# Altium PCB Slave.PcbDoc (part 5 of 10)
Units mm, origin at the board's own origin, x right, y up, seen from the top; angles counter-clockwise.
Board outline 380 x 63 mm, 4 copper layers (Top Copper, Signal Layer 1, Signal Layer 2, Bottom Copper), stack 1.586 mm thick; 259 components, 195 nets, 816 pads, 23336 vias.
Unrouted connection lines stored in the file: 47.
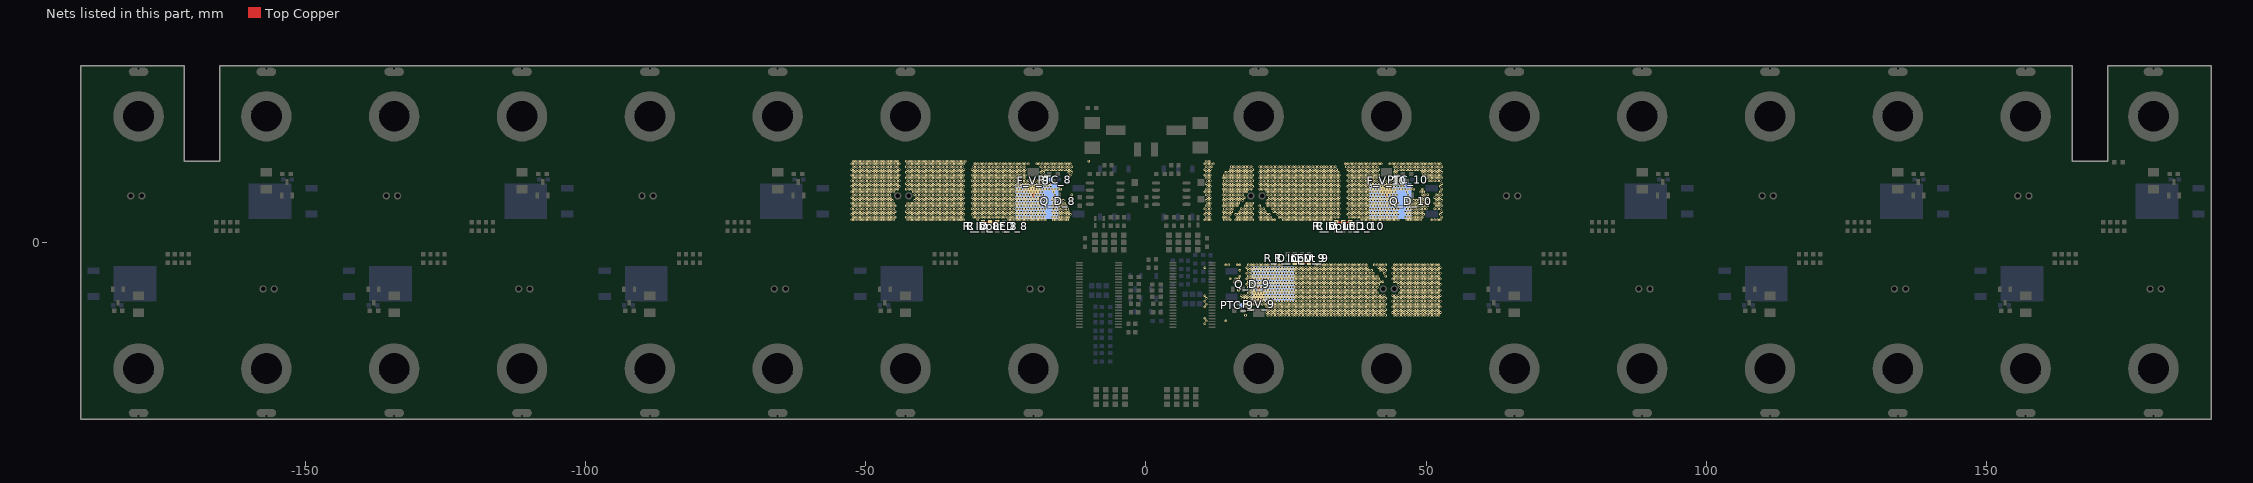
[diagram p7: the nets of this part, all layers, seen from the top]

## Via types
v1: diameter 0.45, hole 0.2, Top Copper to Bottom Copper, tented both sides, 23076 vias
v2: diameter 0.45, hole 0.2, Top Copper to Bottom Copper, 250 vias
v3: diameter 1.2, hole 0.8, Top Copper to Bottom Copper, 10 vias

## Nets (pads, with @x,y where several pads share a name; then routed paths per layer and width w, separated by ;. In a path a pad name is that pad's centre, name@x,y a point inside that pad or via, vN(x,y) a via of type N, cw(c..) or ccw(c..) an arc to the next point about the centre after c; other vN are vias at no path point) (continued)
F_8: C_V_8.2 F_V_8.2 PTC_8.2 Q_D_8.2 R_D_LED_8.2 R_Input_8.1 | length 3.9
  Top Copper w0.254: C_V_8.2@-29.05,3.6 R_Input_8.1@-27.8,3.6 R_D_LED_8.2@-26.55,3.6
  Top Copper w0.305: v1@-20.075,8.1 F_V_8.2@-20.075,9.48
  other v1: -52.5,4 -52,4 -51.5,4 -51,4 -50.5,4 -50,4 -49.5,4 -49,4 -48.5,4 -48,4 -47.5,4 -47,4 -46.5,4 -46,4 -45.5,4 -45,4 -42.5,4 -42,4 -41.5,4 -41,4 -40.5,4 -40,4 -39.501,4 -39.001,4 -38.501,4 -38.001,4 -37.501,4 -37.001,4 -36.501,4 -36.001,4 -35.501,4 -35.001,4 -34.501,4 -34.001,4 -33.501,4 -33.001,4 -32.501,4 -30.001,4 -24.501,4 -24.001,4 -23.501,4 -23.001,4 -22.501,4 -22.001,4 -21.501,4 -21.001,4 -20.501,4 -20.001,4 -19.501,4 -19.001,4 -18.501,4 -18.001,4 -16.501,4 -16.001,4 -15.501,4 -15.001,4 -14.501,4 -14.001,4 -52.25,4.5 -51.75,4.5 -51.25,4.5 -50.75,4.5 -50.25,4.5 -49.75,4.5 -49.25,4.5 -48.75,4.5 -48.25,4.5 -47.75,4.5 -47.25,4.5 -46.75,4.5 -46.25,4.5 -45.75,4.5 -45.25,4.5 -44.75,4.5 -42.75,4.5 -42.25,4.5 -41.75,4.5 -41.25,4.5 -40.75,4.5 -40.25,4.5 -39.75,4.5 -39.251,4.5 -38.751,4.5 -38.251,4.5 -37.751,4.5 -37.251,4.5 -36.751,4.5 -36.251,4.5 -35.751,4.5 -35.251,4.5 -34.751,4.5 -34.251,4.5 -33.751,4.5 -33.251,4.5 -32.751,4.5 -30.751,4.5 -30.251,4.5 -29.751,4.5 -29.251,4.5 -28.751,4.5 -28.251,4.5 -27.751,4.5 -27.251,4.5 -26.751,4.5 -26.251,4.5 -25.751,4.5 -25.251,4.5 -24.751,4.5 -24.251,4.5 -23.751,4.5 -23.251,4.5 -22.751,4.5 -22.251,4.5 -21.751,4.5 -21.251,4.5 -20.751,4.5 -20.251,4.5 -19.751,4.5 -19.251,4.5 -18.751,4.5 -18.251,4.5 -16.751,4.5 -16.251,4.5 -15.751,4.5 -15.251,4.5 -14.751,4.5 -14.251,4.5 -13.751,4.5 -52.5,5 -52,5 -51.5,5 -51,5 -50.5,5 -50,5 -49.5,5 -49,5 -48.5,5 -48,5 -47.5,5 -47,5 -46.5,5 -46,5 -45.5,5 -45,5 -42.5,5 -42,5 -41.5,5 -41,5 -40.5,5 -40,5 -39.501,5 -39.001,5 -38.501,5 -38.001,5 -37.501,5 -37.001,5 -36.501,5 -36.001,5 -35.501,5 -35.001,5 -34.501,5 -34.001,5 -33.501,5 -33.001,5 -32.501,5 -31.001,5 -30.501,5 -30.001,5 -29.501,5 -29.001,5 -28.501,5 -28.001,5 -27.501,5 -27.001,5 -26.501,5 -26.001,5 -25.501,5 -25.001,5 -24.501,5 -24.001,5 -23.501,5 -23.001,5 -22.501,5 -22.001,5 -21.501,5 -21.001,5 -20.501,5 -20.001,5 -19.501,5 -19.001,5 -18.501,5 -18.001,5 -16.501,5 -16.001,5 -15.501,5 -15.001,5 -14.501,5 -14.001,5 -13.501,5 -52.25,5.5 -51.75,5.5 -51.25,5.5 -50.75,5.5 -50.25,5.5 -49.75,5.5 -49.25,5.5 -48.75,5.5 -48.25,5.5 -47.75,5.5 -47.25,5.5 -46.75,5.5 -46.25,5.5 -45.75,5.5 -45.25,5.5 -44.75,5.5 -42.75,5.5 -42.25,5.5 -41.75,5.5 -41.25,5.5 -40.75,5.5 -40.25,5.5 -39.75,5.5 -39.251,5.5 -38.751,5.5 -38.251,5.5 -37.751,5.5 -37.251,5.5 -36.751,5.5 -36.251,5.5 -35.751,5.5 -35.251,5.5 -34.751,5.5 -34.251,5.5 -33.751,5.5 -33.251,5.5 -32.751,5.5 -30.751,5.5 -30.251,5.5 -29.751,5.5 -29.251,5.5 -28.751,5.5 -28.251,5.5 -27.751,5.5 -27.251,5.5 -26.751,5.5 -26.251,5.5 -25.751,5.5 -25.251,5.5 -24.751,5.5 -24.251,5.5 -23.751,5.5 -23.251,5.5 -22.751,5.5 -22.251,5.5 -21.751,5.5 -21.251,5.5 -20.751,5.5 -20.251,5.5 -19.751,5.5 -19.251,5.5 -18.751,5.5 -18.251,5.5 -16.751,5.5 -16.251,5.5 -15.751,5.5 -15.251,5.5 -14.751,5.5 -14.251,5.5 -13.751,5.5 -52.5,6 -52,6 -51.5,6 -51,6 -50.5,6 -50,6 -49.5,6 -49,6 -48.5,6 -48,6 -47.5,6 -47,6 -46.5,6 -46,6 -45.5,6 -45,6 -42.5,6 -42,6 -41.5,6 -41,6 -40.5,6 -40,6 -39.501,6 -39.001,6 -38.501,6 -38.001,6 -37.501,6 -37.001,6 -36.501,6 -36.001,6 -35.501,6 -35.001,6 -34.501,6 -34.001,6 -33.501,6 -33.001,6 -32.501,6 -31.001,6 -30.501,6 -30.001,6 -29.501,6 -29.001,6 -28.501,6 -28.001,6 -27.501,6 -27.001,6 -26.501,6 -26.001,6 -25.501,6 -25.001,6 -24.501,6 -24.001,6 -23.501,6 -23.001,6 -22.501,6 -22.001,6 -21.501,6 -21.001,6 -20.501,6 -20.001,6 -19.501,6 -19.001,6 -18.501,6 -18.001,6 -16.501,6 -16.001,6 -15.501,6 -15.001,6 -14.501,6 -14.001,6 -52.25,6.5 -51.75,6.5 -51.25,6.5 -50.75,6.5 -50.25,6.5 -49.75,6.5 -49.25,6.5 -48.75,6.5 -48.25,6.5 -47.75,6.5 -47.25,6.5 -46.75,6.5 -46.25,6.5 -45.75,6.5 -45.25,6.5 -44.75,6.5 -42.75,6.5 -42.25,6.5 -41.75,6.5 -41.25,6.5 -40.75,6.5 -40.25,6.5 -39.75,6.5 -39.251,6.5 -38.751,6.5 -38.251,6.5 -37.751,6.5 -37.251,6.5 -36.751,6.5 -36.251,6.5 -35.751,6.5 -35.251,6.5 -34.751,6.5 -34.251,6.5 -33.751,6.5 -33.251,6.5 -32.751,6.5 -30.751,6.5 -30.251,6.5 -29.751,6.5 -29.251,6.5 -28.751,6.5 -28.251,6.5 -27.751,6.5 -27.251,6.5 -26.751,6.5 -26.251,6.5 -25.751,6.5 -25.251,6.5 -24.751,6.5 -24.251,6.5 -23.751,6.5 -23.251,6.5 -22.751,6.5 -22.251,6.5 -21.751,6.5 -21.251,6.5 -20.751,6.5 -20.251,6.5 -19.751,6.5 -19.251,6.5 -18.751,6.5 -18.251,6.5 -16.751,6.5 -16.251,6.5 -15.751,6.5 -15.251,6.5 -14.751,6.5 -14.251,6.5 -52.5,7 -52,7 -51.5,7 -51,7 -50.5,7 -50,7 -49.5,7 -49,7 -48.5,7 -48,7 -47.5,7 -47,7 -46.5,7 -46,7 -45.5,7 -45,7 -42.5,7 -42,7 -41.5,7 -41,7 -40.5,7 -40,7 -39.501,7 -39.001,7 -38.501,7 -38.001,7 -37.501,7 -37.001,7 -36.501,7 -36.001,7 -35.501,7 -35.001,7 -34.501,7 -34.001,7 -33.501,7 -33.001,7 -32.501,7 -31.001,7 -30.501,7 -30.001,7 -29.501,7 -29.001,7 -28.501,7 -28.001,7 -27.501,7 -27.001,7 -26.501,7 -26.001,7 -25.501,7 -25.001,7 -24.501,7 -24.001,7 -23.501,7 -23.001,7 -22.501,7 -22.001,7 -21.501,7 -21.001,7 -20.501,7 -20.001,7 -19.501,7 -19.001,7 -18.501,7 -18.001,7 -16.501,7 -16.001,7 -15.501,7 -15.001,7 -14.501,7 -52.25,7.5 -51.75,7.5 -51.25,7.5 -50.75,7.5 -50.25,7.5 -49.75,7.5 -49.25,7.5 -48.75,7.5 -48.25,7.5 -47.75,7.5 -47.25,7.5 -46.75,7.5 -46.25,7.5 -45.75,7.5 -45.25,7.5 -41.25,7.5 -40.75,7.5 -40.25,7.5 -39.75,7.5 -39.251,7.5 -38.751,7.5 -38.251,7.5 -37.751,7.5 -37.251,7.5 -36.751,7.5 -36.251,7.5 -35.751,7.5 -35.251,7.5 -34.751,7.5 -34.251,7.5 -33.751,7.5 -33.251,7.5 -32.751,7.5 -30.751,7.5 -30.251,7.5 -29.751,7.5 -29.251,7.5 -28.751,7.5 -28.251,7.5 -27.751,7.5 -27.251,7.5 -26.751,7.5 -26.251,7.5 -25.751,7.5 -25.251,7.5 -24.751,7.5 -24.251,7.5 -23.751,7.5 -23.251,7.5 -22.751,7.5 -22.251,7.5 -21.751,7.5 -21.251,7.5 -20.751,7.5 -20.251,7.5 -19.751,7.5 -19.251,7.5 -18.751,7.5 -18.251,7.5 -16.751,7.5 -16.251,7.5 -15.751,7.5 -15.251,7.5 -14.751,7.5 -13.251,7.5 -52.5,8 -52,8 -51.5,8 -51,8 -50.5,8 -50,8 -49.5,8 -49,8 -48.5,8 -48,8 -47.5,8 -47,8 -46.5,8 -46,8 -45.5,8 -41,8 -40.5,8 -40,8 -39.501,8 -39.001,8 -38.501,8 -38.001,8 -37.501,8 -37.001,8 -36.501,8 -36.001,8 -35.501,8 -35.001,8 -34.501,8 -34.001,8 -33.501,8 -33.001,8 -32.501,8 -31.001,8 -30.501,8 -30.001,8 -29.501,8 -29.001,8 -28.501,8 -28.001,8 -27.501,8 -27.001,8 -26.501,8 -26.001,8 -25.501,8 -25.001,8 -24.501,8 -24.001,8 -23.501,8 -23.001,8 -22.501,8 -22.001,8 -21.501,8 -21.001,8 -20.501,8 -20.001,8 -19.501,8 -19.001,8 -18.501,8 -16.501,8 -52.25,8.5 -51.75,8.5 -51.25,8.5 -50.75,8.5 -50.25,8.5 -49.75,8.5 -49.25,8.5 -48.75,8.5 -48.25,8.5 -47.75,8.5 -47.25,8.5 -46.75,8.5 -46.25,8.5 -45.75,8.5 -41.25,8.5 -40.75,8.5 -40.25,8.5 -39.75,8.5 -39.251,8.5 -38.751,8.5 -38.251,8.5 -37.751,8.5 -37.251,8.5 -36.751,8.5 -36.251,8.5 -35.751,8.5 -35.251,8.5 -34.751,8.5 -34.251,8.5 -33.751,8.5 -33.251,8.5 -32.751,8.5 -30.751,8.5 -30.251,8.5 -29.751,8.5 -29.251,8.5 -28.751,8.5 -28.251,8.5 -27.751,8.5 -27.251,8.5 -26.751,8.5 -26.251,8.5 -25.751,8.5 -25.251,8.5 -24.751,8.5 -24.251,8.5 -23.751,8.5 -23.251,8.5 -22.751,8.5 -22.251,8.5 -21.751,8.5 -21.251,8.5 -20.751,8.5 -20.251,8.5 -19.751,8.5 -19.251,8.5 -18.751,8.5 -18.251,8.5 -16.251,8.5 -13.251,8.5 -52.5,9 -52,9 -51.5,9 -51,9 -50.5,9 -50,9 -49.5,9 -49,9 -48.5,9 -48,9 -47.5,9 -47,9 -46.5,9 -46,9 -45.5,9 -45,9 -41.5,9 -41,9 -40.5,9 -40,9 -39.501,9 -39.001,9 -38.501,9 -38.001,9 -37.501,9 -37.001,9 -36.501,9 -36.001,9 -35.501,9 -35.001,9 -34.501,9 -34.001,9 -33.501,9 -33.001,9 -32.501,9 -31.001,9 -30.501,9 -30.001,9 -29.501,9 -29.001,9 -28.501,9 -28.001,9 -27.501,9 -27.001,9 -26.501,9 -26.001,9 -25.501,9 -25.001,9 -24.501,9 -24.001,9 -23.501,9 -23.001,9 -22.501,9 -22.001,9 -21.501,9 -21.001,9 -20.501,9 -20.001,9 -19.501,9 -19.001,9 -18.501,9 -16.501,9 -52.25,9.5 -51.75,9.5 -51.25,9.5 -50.75,9.5 -50.25,9.5 -49.75,9.5 -49.25,9.5 -48.75,9.5 -48.25,9.5 -47.75,9.5 -47.25,9.5 -46.75,9.5 -46.25,9.5 -45.75,9.5 -45.25,9.5 -44.75,9.5 -44.25,9.5 -42.75,9.5 -42.25,9.5 -41.75,9.5 -41.25,9.5 -40.75,9.5 -40.25,9.5 -39.75,9.5 -39.251,9.5 -38.751,9.5 -38.251,9.5 -37.751,9.5 -37.251,9.5 -36.751,9.5 -36.251,9.5 -35.751,9.5 -35.251,9.5 -34.751,9.5 -34.251,9.5 -33.751,9.5 -33.251,9.5 -32.751,9.5 -30.751,9.5 -30.251,9.5 -29.751,9.5 -29.251,9.5 -28.751,9.5 -28.251,9.5 -27.751,9.5 -27.251,9.5 -26.751,9.5 -26.251,9.5 -25.751,9.5 -25.251,9.5 -24.751,9.5 -24.251,9.5 -23.751,9.5 -23.251,9.5 -22.751,9.5 -22.251,9.5 -21.751,9.5 -21.251,9.5 -20.751,9.5 -20.251,9.5 -19.751,9.5 -19.251,9.5 -18.751,9.5 -18.251,9.5 -17.751,9.5 -17.251,9.5 -16.751,9.5 -16.251,9.5 -15.751,9.5 -15.251,9.5 -52.5,10 -52,10 -51.5,10 -51,10 -50.5,10 -50,10 -49.5,10 -49,10 -48.5,10 -48,10 -47.5,10 -47,10 -46.5,10 -46,10 -45.5,10 -45,10 -44.5,10 -44,10 -42.5,10 -42,10 -41.5,10 -41,10 -40.5,10 -40,10 -39.501,10 -39.001,10 -38.501,10 -38.001,10 -37.501,10 -37.001,10 -36.501,10 -36.001,10 -35.501,10 -35.001,10 -34.501,10 -34.001,10 -33.501,10 -33.001,10 -32.501,10 -31.001,10 -30.501,10 -30.001,10 -29.501,10 -29.001,10 -28.501,10 -28.001,10 -27.501,10 -27.001,10 -26.501,10 -26.001,10 -25.501,10 -25.001,10 -24.501,10 -24.001,10 -23.501,10 -23.001,10 -22.501,10 -22.001,10 -21.501,10 -21.001,10 -20.501,10 -20.001,10 -19.501,10 -19.001,10 -18.501,10 -18.001,10 -17.501,10 -17.001,10 -15.501,10 -52.25,10.5 -51.75,10.5 -51.25,10.5 -50.75,10.5 -50.25,10.5 -49.75,10.5 -49.25,10.5 -48.75,10.5 -48.25,10.5 -47.75,10.5 -47.25,10.5 -46.75,10.5 -46.25,10.5 -45.75,10.5 -45.25,10.5 -44.75,10.5 -44.25,10.5 -42.75,10.5 -42.25,10.5 -41.75,10.5 -41.25,10.5 -40.75,10.5 -40.25,10.5 -39.75,10.5 -39.251,10.5 -38.751,10.5 -38.251,10.5 -37.751,10.5 -37.251,10.5 -36.751,10.5 -36.251,10.5 -35.751,10.5 -35.251,10.5 -34.751,10.5 -34.251,10.5 -33.751,10.5 -33.251,10.5 -32.751,10.5 -30.751,10.5 -30.251,10.5 -29.751,10.5 -29.251,10.5 -28.751,10.5 -28.251,10.5 -27.751,10.5 -27.251,10.5 -26.751,10.5 -26.251,10.5 -25.751,10.5 -25.251,10.5 -24.751,10.5 -24.251,10.5 -23.751,10.5 -23.251,10.5 -22.751,10.5 -22.251,10.5 -21.751,10.5 -21.251,10.5 -20.751,10.5 -20.251,10.5 -19.751,10.5 -19.251,10.5 -18.751,10.5 -18.251,10.5 -17.751,10.5 -17.251,10.5 -52.5,11 -52,11 -51.5,11 -51,11 -50.5,11 -50,11 -49.5,11 -49,11 -48.5,11 -48,11 -47.5,11 -47,11 -46.5,11 -46,11 -45.5,11 -45,11 -44.5,11 -44,11 -42.5,11 -42,11 -41.5,11 -41,11 -40.5,11 -40,11 -39.501,11 -39.001,11 -38.501,11 -38.001,11 -37.501,11 -37.001,11 -36.501,11 -36.001,11 -35.501,11 -35.001,11 -34.501,11 -34.001,11 -33.501,11 -33.001,11 -32.501,11 -31.001,11 -30.501,11 -30.001,11 -29.501,11 -29.001,11 -28.501,11 -28.001,11 -27.501,11 -27.001,11 -26.501,11 -26.001,11 -25.501,11 -25.001,11 -24.501,11 -24.001,11 -23.501,11 -23.001,11 -22.501,11 -22.001,11 -21.501,11 -21.001,11 -20.501,11 -20.001,11 -19.501,11 -19.001,11 -18.501,11 -18.001,11 -17.501,11 -52.25,11.5 -51.75,11.5 -51.25,11.5 -50.75,11.5 -50.25,11.5 -49.75,11.5 -49.25,11.5 -48.75,11.5 -48.25,11.5 -47.75,11.5 -47.25,11.5 -46.75,11.5 -46.25,11.5 -45.75,11.5 -45.25,11.5 -44.75,11.5 -44.25,11.5 -42.75,11.5 -42.25,11.5 -41.75,11.5 -41.25,11.5 -40.75,11.5 -40.25,11.5 -39.75,11.5 -39.251,11.5 -38.751,11.5 -38.251,11.5 -37.751,11.5 -37.251,11.5 -36.751,11.5 -36.251,11.5 -35.751,11.5 -35.251,11.5 -34.751,11.5 -34.251,11.5 -33.751,11.5 -33.251,11.5 -32.751,11.5 -30.751,11.5 -30.251,11.5 -29.751,11.5 -29.251,11.5 -28.751,11.5 -28.251,11.5 -27.751,11.5 -27.251,11.5 -26.751,11.5 -26.251,11.5 -25.751,11.5 -25.251,11.5 -24.751,11.5 -24.251,11.5 -23.751,11.5 -23.251,11.5 -22.751,11.5 -22.251,11.5 -21.751,11.5 -18.751,11.5 -18.251,11.5 -52.5,12 -52,12 -51.5,12 -51,12 -50.5,12 -50,12 -49.5,12 -49,12 -48.5,12 -48,12 -47.5,12 -47,12 -46.5,12 -46,12 -45.5,12 -45,12 -44.5,12 -44,12 -42.5,12 -42,12 -41.5,12 -41,12 -40.5,12 -40,12 -39.501,12 -39.001,12 -38.501,12 -38.001,12 -37.501,12 -37.001,12 -36.501,12 -36.001,12 -35.501,12 -35.001,12 -34.501,12 -34.001,12 -33.501,12 -33.001,12 -32.501,12 -31.001,12 -30.501,12 -30.001,12 -29.501,12 -29.001,12 -28.501,12 -28.001,12 -27.501,12 -27.001,12 -26.501,12 -26.001,12 -25.501,12 -25.001,12 -24.501,12 -24.001,12 -23.501,12 -23.001,12 -22.501,12 -22.001,12 -21.501,12 -18.501,12 -18.001,12 -13.501,12 -52.25,12.5 -51.75,12.5 -51.25,12.5 -50.75,12.5 -50.25,12.5 -49.75,12.5 -49.25,12.5 -48.75,12.5 -48.25,12.5 -47.75,12.5 -47.25,12.5 -46.75,12.5 -46.25,12.5 -45.75,12.5 -45.25,12.5 -44.75,12.5 -44.25,12.5 -42.75,12.5 -42.25,12.5 -41.75,12.5 -41.25,12.5 -40.75,12.5 -40.25,12.5 -39.75,12.5 -39.251,12.5 -38.751,12.5 -38.251,12.5 -37.751,12.5 -37.251,12.5 -36.751,12.5 -36.251,12.5 -35.751,12.5 -35.251,12.5 -34.751,12.5 -34.251,12.5 -33.751,12.5 -33.251,12.5 -32.751,12.5 -30.751,12.5 -30.251,12.5 -29.751,12.5 -29.251,12.5 -28.751,12.5 -28.251,12.5 -27.751,12.5 -27.251,12.5 -26.751,12.5 -26.251,12.5 -25.751,12.5 -25.251,12.5 -24.751,12.5 -24.251,12.5 -23.751,12.5 -23.251,12.5 -22.751,12.5 -22.251,12.5 -21.751,12.5 -18.751,12.5 -18.251,12.5 -13.751,12.5 -13.251,12.5 -52.5,13 -52,13 -51.5,13 -51,13 -50.5,13 -50,13 -49.5,13 -49,13 -48.5,13 -48,13 -47.5,13 -47,13 -46.5,13 -46,13 -45.5,13 -45,13 -44.5,13 -44,13 -42.5,13 -42,13 -41.5,13 -41,13 -40.5,13 -40,13 -39.501,13 -39.001,13 -38.501,13 -38.001,13 -37.501,13 -37.001,13 -36.501,13 -36.001,13 -35.501,13 -35.001,13 -34.501,13 -34.001,13 -33.501,13 -33.001,13 -32.501,13 -31.001,13 -30.501,13 -30.001,13 -29.501,13 -29.001,13 -28.501,13 -28.001,13 -27.501,13 -27.001,13 -26.501,13 -26.001,13 -25.501,13 -25.001,13 -24.501,13 -24.001,13 -23.501,13 -23.001,13 -22.501,13 -22.001,13 -21.501,13 -18.501,13 -18.001,13 -17.501,13 -17.001,13 -16.501,13 -16.001,13 -15.501,13 -15.001,13 -14.501,13 -14.001,13 -13.501,13 -52.25,13.5 -51.75,13.5 -51.25,13.5 -50.75,13.5 -50.25,13.5 -49.75,13.5 -49.25,13.5 -48.75,13.5 -48.25,13.5 -47.75,13.5 -47.25,13.5 -46.75,13.5 -46.25,13.5 -45.75,13.5 -45.25,13.5 -44.75,13.5 -44.25,13.5 -42.75,13.5 -42.25,13.5 -41.75,13.5 -41.25,13.5 -40.75,13.5 -40.25,13.5 -39.75,13.5 -39.251,13.5 -38.751,13.5 -38.251,13.5 -37.751,13.5 -37.251,13.5 -36.751,13.5 -36.251,13.5 -35.751,13.5 -35.251,13.5 -34.751,13.5 -34.251,13.5 -33.751,13.5 -33.251,13.5 -32.751,13.5 -30.751,13.5 -30.251,13.5 -29.751,13.5 -29.251,13.5 -28.751,13.5 -28.251,13.5 -27.751,13.5 -27.251,13.5 -26.751,13.5 -26.251,13.5 -25.751,13.5 -25.251,13.5 -24.751,13.5 -24.251,13.5 -23.751,13.5 -23.251,13.5 -22.751,13.5 -22.251,13.5 -21.751,13.5 -18.751,13.5 -18.251,13.5 -17.751,13.5 -17.251,13.5 -16.751,13.5 -16.251,13.5 -15.751,13.5 -15.251,13.5 -14.751,13.5 -14.251,13.5 -13.751,13.5 -13.251,13.5 -52.5,14 -52,14 -51.5,14 -51,14 -50.5,14 -50,14 -49.5,14 -49,14 -48.5,14 -48,14 -47.5,14 -47,14 -46.5,14 -46,14 -45.5,14 -45,14 -44.5,14 -44,14 -42.5,14 -42,14 -41.5,14 -41,14 -40.5,14 -40,14 -39.501,14 -39.001,14 -38.501,14 -38.001,14 -37.501,14 -37.001,14 -36.501,14 -36.001,14 -35.501,14 -35.001,14 -34.501,14 -34.001,14 -33.501,14 -33.001,14 -32.501,14 -30.501,14 -30.001,14 -29.501,14 -29.001,14 -28.501,14 -28.001,14 -27.501,14 -27.001,14 -26.501,14 -26.001,14 -25.501,14 -25.001,14 -24.501,14 -24.001,14 -23.501,14 -23.001,14 -22.501,14 -22.001,14 -21.501,14 -21.001,14 -19.501,14 -19.001,14 -18.501,14 -18.001,14 -17.501,14 -17.001,14 -16.501,14 -16.001,14 -15.501,14 -15.001,14 -14.501,14 -14.001,14 -13.501,14 -52.25,14.5 -51.75,14.5 -51.25,14.5 -50.75,14.5 -50.25,14.5 -49.75,14.5 -49.25,14.5 -48.75,14.5 -48.25,14.5 -47.75,14.5 -47.25,14.5 -46.75,14.5 -46.25,14.5 -45.75,14.5 -45.25,14.5 -44.75,14.5 -44.25,14.5 -42.75,14.5 -42.25,14.5 -41.75,14.5 -41.25,14.5 -40.75,14.5 -40.25,14.5 -39.75,14.5 -39.251,14.5 -38.751,14.5 -38.251,14.5 -37.751,14.5 -37.251,14.5 -36.751,14.5 -36.251,14.5 -35.751,14.5 -35.251,14.5 -34.751,14.5 -34.251,14.5 -33.751,14.5 -33.251,14.5 -32.751,14.5 -32.251,14.5 -10.251,14.5
F_9: C_V_9.2 F_V_9.2 PTC_9.2 Q_D_9.2 R_D_LED_9.2 R_Input_9.1 | length 3.9
  Top Copper w0.254: R_D_LED_9.2@26.55,-3.6 R_Input_9.1@27.8,-3.6 C_V_9.2@29.05,-3.6
  Top Copper w0.305: F_V_9.2@20.075,-9.48 v1@20.075,-8.1
  other v1: 10.499,-14.5 10.749,-14 14.249,-14 10.499,-13.5 17.749,-13 21.749,-13 22.249,-13 22.749,-13 23.249,-13 23.749,-13 24.249,-13 24.749,-13 25.249,-13 25.749,-13 26.249,-13 26.749,-13 27.249,-13 27.749,-13 28.249,-13 28.749,-13 29.249,-13 29.749,-13 30.249,-13 30.749,-13 31.249,-13 31.749,-13 32.249,-13 32.749,-13 33.249,-13 33.749,-13 34.249,-13 34.749,-13 35.249,-13 35.749,-13 36.249,-13 36.749,-13 37.249,-13 37.749,-13 38.249,-13 38.749,-13 39.249,-13 39.749,-13 40.249,-13 40.749,-13 41.249,-13 41.749,-13 42.249,-13 42.749,-13 44.249,-13 44.749,-13 45.249,-13 45.749,-13 46.249,-13 46.749,-13 47.249,-13 47.749,-13 48.249,-13 48.749,-13 49.249,-13 49.749,-13 50.249,-13 50.749,-13 51.249,-13 51.749,-13 52.249,-13 21.499,-12.5 21.999,-12.5 22.499,-12.5 22.999,-12.5 23.499,-12.5 23.999,-12.5 24.499,-12.5 24.999,-12.5 25.499,-12.5 25.999,-12.5 26.499,-12.5 26.999,-12.5 27.499,-12.5 27.999,-12.5 28.499,-12.5 28.999,-12.5 29.499,-12.5 29.999,-12.5 30.499,-12.5 30.999,-12.5 31.499,-12.5 31.999,-12.5 32.499,-12.5 32.999,-12.5 33.499,-12.5 33.999,-12.5 34.499,-12.5 34.999,-12.5 35.499,-12.5 35.999,-12.5 36.499,-12.5 36.999,-12.5 37.499,-12.5 37.999,-12.5 38.499,-12.5 38.999,-12.5 39.499,-12.5 39.999,-12.5 40.499,-12.5 40.999,-12.5 41.499,-12.5 41.999,-12.5 42.499,-12.5 43.999,-12.5 44.499,-12.5 44.999,-12.5 45.499,-12.5 45.999,-12.5 46.499,-12.5 46.999,-12.5 47.499,-12.5 47.999,-12.5 48.499,-12.5 48.999,-12.5 49.499,-12.5 49.999,-12.5 50.499,-12.5 50.999,-12.5 51.499,-12.5 51.999,-12.5 52.499,-12.5 18.249,-12 18.749,-12 21.749,-12 22.249,-12 22.749,-12 23.249,-12 23.749,-12 24.249,-12 24.749,-12 25.249,-12 25.749,-12 26.249,-12 26.749,-12 27.249,-12 27.749,-12 28.249,-12 28.749,-12 29.249,-12 29.749,-12 30.249,-12 30.749,-12 31.249,-12 31.749,-12 32.249,-12 32.749,-12 33.249,-12 33.749,-12 34.249,-12 34.749,-12 35.249,-12 35.749,-12 36.249,-12 36.749,-12 37.249,-12 37.749,-12 38.249,-12 38.749,-12 39.249,-12 39.749,-12 40.249,-12 40.749,-12 41.249,-12 41.749,-12 42.249,-12 42.749,-12 44.249,-12 44.749,-12 45.249,-12 45.749,-12 46.249,-12 46.749,-12 47.249,-12 47.749,-12 48.249,-12 48.749,-12 49.249,-12 49.749,-12 50.249,-12 50.749,-12 51.249,-12 51.749,-12 52.249,-12 10.499,-11.5 17.999,-11.5 18.499,-11.5 21.499,-11.5 21.999,-11.5 22.499,-11.5 22.999,-11.5 23.499,-11.5 23.999,-11.5 24.499,-11.5 24.999,-11.5 25.499,-11.5 25.999,-11.5 26.499,-11.5 26.999,-11.5 27.499,-11.5 27.999,-11.5 28.499,-11.5 28.999,-11.5 29.499,-11.5 29.999,-11.5 30.499,-11.5 30.999,-11.5 31.499,-11.5 31.999,-11.5 32.499,-11.5 32.999,-11.5 33.499,-11.5 33.999,-11.5 34.499,-11.5 34.999,-11.5 35.499,-11.5 35.999,-11.5 36.499,-11.5 36.999,-11.5 37.499,-11.5 37.999,-11.5 38.499,-11.5 38.999,-11.5 39.499,-11.5 39.999,-11.5 40.499,-11.5 40.999,-11.5 41.499,-11.5 41.999,-11.5 42.499,-11.5 43.999,-11.5 44.499,-11.5 44.999,-11.5 45.499,-11.5 45.999,-11.5 46.499,-11.5 46.999,-11.5 47.499,-11.5 47.999,-11.5 48.499,-11.5 48.999,-11.5 49.499,-11.5 49.999,-11.5 50.499,-11.5 50.999,-11.5 51.499,-11.5 51.999,-11.5 52.499,-11.5 10.749,-11 17.249,-11 17.749,-11 18.249,-11 18.749,-11 19.249,-11 19.749,-11 20.249,-11 20.749,-11 21.249,-11 21.749,-11 22.249,-11 22.749,-11 23.249,-11 23.749,-11 24.249,-11 24.749,-11 25.249,-11 25.749,-11 26.249,-11 26.749,-11 27.249,-11 27.749,-11 28.249,-11 28.749,-11 29.249,-11 29.749,-11 30.249,-11 30.749,-11 31.249,-11 31.749,-11 32.249,-11 32.749,-11 33.249,-11 33.749,-11 34.249,-11 34.749,-11 35.249,-11 35.749,-11 36.249,-11 36.749,-11 37.249,-11 37.749,-11 38.249,-11 38.749,-11 39.249,-11 39.749,-11 40.249,-11 40.749,-11 41.249,-11 41.749,-11 42.249,-11 42.749,-11 44.249,-11 44.749,-11 45.249,-11 45.749,-11 46.249,-11 46.749,-11 47.249,-11 47.749,-11 48.249,-11 48.749,-11 49.249,-11 49.749,-11 50.249,-11 50.749,-11 51.249,-11 51.749,-11 52.249,-11 10.499,-10.5 17.499,-10.5 17.999,-10.5 18.499,-10.5 18.999,-10.5 19.499,-10.5 19.999,-10.5 20.499,-10.5 20.999,-10.5 21.499,-10.5 21.999,-10.5 22.499,-10.5 22.999,-10.5 23.499,-10.5 23.999,-10.5 24.499,-10.5 24.999,-10.5 25.499,-10.5 25.999,-10.5 26.499,-10.5 26.999,-10.5 27.499,-10.5 27.999,-10.5 28.499,-10.5 28.999,-10.5 29.499,-10.5 29.999,-10.5 30.499,-10.5 30.999,-10.5 31.499,-10.5 31.999,-10.5 32.499,-10.5 32.999,-10.5 33.499,-10.5 33.999,-10.5 34.499,-10.5 34.999,-10.5 35.499,-10.5 35.999,-10.5 36.499,-10.5 36.999,-10.5 37.499,-10.5 37.999,-10.5 38.499,-10.5 38.999,-10.5 39.499,-10.5 39.999,-10.5 40.499,-10.5 40.999,-10.5 41.499,-10.5 41.999,-10.5 42.499,-10.5 43.999,-10.5 44.499,-10.5 44.999,-10.5 45.499,-10.5 45.999,-10.5 46.499,-10.5 46.999,-10.5 47.499,-10.5 47.999,-10.5 48.499,-10.5 48.999,-10.5 49.499,-10.5 49.999,-10.5 50.499,-10.5 50.999,-10.5 51.499,-10.5 51.999,-10.5 52.499,-10.5 10.749,-10 17.249,-10 17.749,-10 18.249,-10 18.749,-10 19.249,-10 19.749,-10 20.249,-10 20.749,-10 21.249,-10 21.749,-10 22.249,-10 22.749,-10 23.249,-10 23.749,-10 24.249,-10 24.749,-10 25.249,-10 25.749,-10 26.249,-10 26.749,-10 27.249,-10 27.749,-10 28.249,-10 28.749,-10 29.249,-10 29.749,-10 30.249,-10 30.749,-10 31.249,-10 31.749,-10 32.249,-10 32.749,-10 33.249,-10 33.749,-10 34.249,-10 34.749,-10 35.249,-10 35.749,-10 36.249,-10 36.749,-10 37.249,-10 37.749,-10 38.249,-10 38.749,-10 39.249,-10 39.749,-10 40.249,-10 40.749,-10 41.249,-10 41.749,-10 42.249,-10 42.749,-10 44.249,-10 44.749,-10 45.249,-10 45.749,-10 46.249,-10 46.749,-10 47.249,-10 47.749,-10 48.249,-10 48.749,-10 49.249,-10 49.749,-10 50.249,-10 50.749,-10 51.249,-10 51.749,-10 52.249,-10 10.499,-9.5 16.999,-9.5 17.499,-9.5 17.999,-9.5 18.499,-9.5 18.999,-9.5 19.499,-9.5 19.999,-9.5 20.499,-9.5 20.999,-9.5 21.499,-9.5 21.999,-9.5 22.499,-9.5 22.999,-9.5 23.499,-9.5 23.999,-9.5 24.499,-9.5 24.999,-9.5 25.499,-9.5 25.999,-9.5 26.499,-9.5 26.999,-9.5 27.499,-9.5 27.999,-9.5 28.499,-9.5 28.999,-9.5 29.499,-9.5 29.999,-9.5 30.499,-9.5 30.999,-9.5 31.499,-9.5 31.999,-9.5 32.499,-9.5 32.999,-9.5 33.499,-9.5 33.999,-9.5 34.499,-9.5 34.999,-9.5 35.499,-9.5 35.999,-9.5 36.499,-9.5 36.999,-9.5 37.499,-9.5 37.999,-9.5 38.499,-9.5 38.999,-9.5 39.499,-9.5 39.999,-9.5 40.499,-9.5 40.999,-9.5 41.499,-9.5 41.999,-9.5 42.499,-9.5 43.999,-9.5 44.499,-9.5 44.999,-9.5 45.499,-9.5 45.999,-9.5 46.499,-9.5 46.999,-9.5 47.499,-9.5 47.999,-9.5 48.499,-9.5 48.999,-9.5 49.499,-9.5 49.999,-9.5 50.499,-9.5 50.999,-9.5 51.499,-9.5 51.999,-9.5 52.499,-9.5 18.249,-9 18.749,-9 19.249,-9 19.749,-9 20.249,-9 20.749,-9 21.249,-9 21.749,-9 22.249,-9 22.749,-9 23.249,-9 23.749,-9 24.249,-9 24.749,-9 25.249,-9 25.749,-9 26.249,-9 26.749,-9 27.249,-9 27.749,-9 28.249,-9 28.749,-9 29.249,-9 29.749,-9 30.249,-9 30.749,-9 31.249,-9 31.749,-9 32.249,-9 32.749,-9 33.249,-9 33.749,-9 34.249,-9 34.749,-9 35.249,-9 35.749,-9 36.249,-9 36.749,-9 37.249,-9 37.749,-9 38.249,-9 38.749,-9 39.249,-9 39.749,-9 40.249,-9 40.749,-9 41.249,-9 45.249,-9 45.749,-9 46.249,-9 46.749,-9 47.249,-9 47.749,-9 48.249,-9 48.749,-9 49.249,-9 49.749,-9 50.249,-9 50.749,-9 51.249,-9 51.749,-9 52.249,-9 16.499,-8.5 18.499,-8.5 18.999,-8.5 19.499,-8.5 19.999,-8.5 20.499,-8.5 20.999,-8.5 21.499,-8.5 21.999,-8.5 22.499,-8.5 22.999,-8.5 23.499,-8.5 23.999,-8.5 24.499,-8.5 24.999,-8.5 25.499,-8.5 25.999,-8.5 26.499,-8.5 26.999,-8.5 27.499,-8.5 27.999,-8.5 28.499,-8.5 28.999,-8.5 29.499,-8.5 29.999,-8.5 30.499,-8.5 30.999,-8.5 31.499,-8.5 31.999,-8.5 32.499,-8.5 32.999,-8.5 33.499,-8.5 33.999,-8.5 34.499,-8.5 34.999,-8.5 35.499,-8.5 35.999,-8.5 36.499,-8.5 36.999,-8.5 37.499,-8.5 37.999,-8.5 38.499,-8.5 38.999,-8.5 39.499,-8.5 39.999,-8.5 40.499,-8.5 40.999,-8.5 45.499,-8.5 45.999,-8.5 46.499,-8.5 46.999,-8.5 47.499,-8.5 47.999,-8.5 48.499,-8.5 48.999,-8.5 49.499,-8.5 49.999,-8.5 50.499,-8.5 50.999,-8.5 51.499,-8.5 51.999,-8.5 52.499,-8.5 18.249,-8 18.749,-8 19.249,-8 19.749,-8 20.249,-8 20.749,-8 21.249,-8 21.749,-8 22.249,-8 22.749,-8 23.249,-8 23.749,-8 24.249,-8 24.749,-8 25.249,-8 25.749,-8 26.249,-8 26.749,-8 27.249,-8 27.749,-8 28.249,-8 28.749,-8 29.249,-8 29.749,-8 30.249,-8 30.749,-8 31.249,-8 31.749,-8 32.249,-8 32.749,-8 33.249,-8 33.749,-8 34.249,-8 34.749,-8 35.249,-8 35.749,-8 36.249,-8 36.749,-8 37.249,-8 37.749,-8 38.249,-8 38.749,-8 39.249,-8 39.749,-8 40.249,-8 40.749,-8 41.249,-8 45.249,-8 45.749,-8 46.249,-8 46.749,-8 47.249,-8 47.749,-8 48.249,-8 48.749,-8 49.249,-8 49.749,-8 50.249,-8 50.749,-8 51.249,-8 51.749,-8 52.249,-8 17.999,-7.5 18.499,-7.5 18.999,-7.5 19.499,-7.5 19.999,-7.5 20.499,-7.5 20.999,-7.5 21.499,-7.5 21.999,-7.5 22.499,-7.5 22.999,-7.5 23.499,-7.5 23.999,-7.5 24.499,-7.5 24.999,-7.5 25.499,-7.5 25.999,-7.5 26.499,-7.5 26.999,-7.5 27.499,-7.5 27.999,-7.5 28.499,-7.5 28.999,-7.5 29.499,-7.5 29.999,-7.5 30.499,-7.5 30.999,-7.5 31.499,-7.5 31.999,-7.5 32.499,-7.5 32.999,-7.5 33.499,-7.5 33.999,-7.5 34.499,-7.5 34.999,-7.5 35.499,-7.5 35.999,-7.5 36.499,-7.5 36.999,-7.5 37.499,-7.5 37.999,-7.5 38.499,-7.5 38.999,-7.5 39.499,-7.5 39.999,-7.5 40.499,-7.5 40.999,-7.5 41.499,-7.5 44.999,-7.5 45.499,-7.5 45.999,-7.5 46.499,-7.5 46.999,-7.5 47.499,-7.5 47.999,-7.5 48.499,-7.5 48.999,-7.5 49.499,-7.5 49.999,-7.5 50.499,-7.5 50.999,-7.5 51.499,-7.5 51.999,-7.5 52.499,-7.5 15.749,-7 16.249,-7 16.749,-7 18.249,-7 18.749,-7 19.249,-7 19.749,-7 20.249,-7 20.749,-7 21.249,-7 21.749,-7 22.249,-7 22.749,-7 23.249,-7 23.749,-7 24.249,-7 24.749,-7 25.249,-7 25.749,-7 26.249,-7 26.749,-7 27.249,-7 27.749,-7 28.249,-7 28.749,-7 29.249,-7 29.749,-7 30.249,-7 30.749,-7 31.249,-7 31.749,-7 32.249,-7 32.749,-7 33.249,-7 33.749,-7 34.249,-7 34.749,-7 35.249,-7 35.749,-7 36.249,-7 36.749,-7 37.249,-7 37.749,-7 38.249,-7 38.749,-7 39.249,-7 39.749,-7 40.249,-7 40.749,-7 41.249,-7 41.749,-7 42.249,-7 44.249,-7 44.749,-7 45.249,-7 45.749,-7 46.249,-7 46.749,-7 47.249,-7 47.749,-7 48.249,-7 48.749,-7 49.249,-7 49.749,-7 50.249,-7 50.749,-7 51.249,-7 51.749,-7 52.249,-7 14.999,-6.5 15.999,-6.5 16.499,-6.5 17.999,-6.5 18.499,-6.5 18.999,-6.5 19.499,-6.5 19.999,-6.5 20.499,-6.5 20.999,-6.5 21.499,-6.5 21.999,-6.5 22.499,-6.5 22.999,-6.5 23.499,-6.5 23.999,-6.5 24.499,-6.5 24.999,-6.5 25.499,-6.5 25.999,-6.5 26.499,-6.5 26.999,-6.5 27.499,-6.5 27.999,-6.5 28.499,-6.5 28.999,-6.5 29.499,-6.5 29.999,-6.5 30.499,-6.5 30.999,-6.5 31.499,-6.5 31.999,-6.5 32.499,-6.5 32.999,-6.5 33.499,-6.5 33.999,-6.5 34.499,-6.5 34.999,-6.5 35.499,-6.5 35.999,-6.5 36.499,-6.5 36.999,-6.5 37.499,-6.5 37.999,-6.5 38.499,-6.5 38.999,-6.5 39.499,-6.5 39.999,-6.5 40.499,-6.5 40.999,-6.5 41.499,-6.5 43.999,-6.5 44.499,-6.5 44.999,-6.5 45.499,-6.5 45.999,-6.5 46.499,-6.5 46.999,-6.5 47.499,-6.5 47.999,-6.5 48.499,-6.5 48.999,-6.5 49.499,-6.5 49.999,-6.5 50.499,-6.5 50.999,-6.5 51.499,-6.5 51.999,-6.5 52.499,-6.5 16.749,-6 18.249,-6 18.749,-6 19.249,-6 19.749,-6 20.249,-6 20.749,-6 21.249,-6 21.749,-6 22.249,-6 22.749,-6 23.249,-6 23.749,-6 24.249,-6 24.749,-6 25.249,-6 25.749,-6 26.249,-6 26.749,-6 27.249,-6 27.749,-6 28.249,-6 28.749,-6 29.249,-6 29.749,-6 30.249,-6 30.749,-6 31.249,-6 31.749,-6 32.249,-6 32.749,-6 33.249,-6 33.749,-6 34.249,-6 34.749,-6 35.249,-6 35.749,-6 36.249,-6 36.749,-6 37.249,-6 37.749,-6 38.249,-6 38.749,-6 39.249,-6 39.749,-6 40.249,-6 40.749,-6 41.249,-6 42.749,-6 44.249,-6 44.749,-6 45.249,-6 45.749,-6 46.249,-6 46.749,-6 47.249,-6 47.749,-6 48.249,-6 48.749,-6 49.249,-6 49.749,-6 50.249,-6 50.749,-6 51.249,-6 51.749,-6 52.249,-6 17.999,-5.5 18.499,-5.5 18.999,-5.5 19.499,-5.5 19.999,-5.5 20.499,-5.5 20.999,-5.5 21.499,-5.5 21.999,-5.5 22.499,-5.5 22.999,-5.5 23.499,-5.5 23.999,-5.5 24.499,-5.5 24.999,-5.5 25.499,-5.5 25.999,-5.5 26.499,-5.5 26.999,-5.5 27.499,-5.5 27.999,-5.5 28.499,-5.5 28.999,-5.5 29.499,-5.5 29.999,-5.5 30.499,-5.5 30.999,-5.5 31.499,-5.5 31.999,-5.5 32.499,-5.5 32.999,-5.5 33.499,-5.5 33.999,-5.5 34.499,-5.5 34.999,-5.5 35.499,-5.5 35.999,-5.5 36.499,-5.5 36.999,-5.5 37.499,-5.5 37.999,-5.5 38.499,-5.5 38.999,-5.5 39.499,-5.5 39.999,-5.5 40.499,-5.5 42.499,-5.5 43.999,-5.5 44.499,-5.5 44.999,-5.5 45.499,-5.5 45.999,-5.5 46.499,-5.5 46.999,-5.5 47.499,-5.5 47.999,-5.5 48.499,-5.5 48.999,-5.5 49.499,-5.5 49.999,-5.5 50.499,-5.5 50.999,-5.5 51.499,-5.5 51.999,-5.5 52.499,-5.5 16.749,-5 18.249,-5 18.749,-5 19.249,-5 19.749,-5 20.249,-5 20.749,-5 21.249,-5 21.749,-5 22.249,-5 22.749,-5 23.249,-5 23.749,-5 24.249,-5 24.749,-5 25.249,-5 25.749,-5 26.249,-5 26.749,-5 27.249,-5 27.749,-5 28.249,-5 28.749,-5 29.249,-5 29.749,-5 30.249,-5 30.749,-5 31.249,-5 31.749,-5 32.249,-5 32.749,-5 33.249,-5 33.749,-5 34.249,-5 34.749,-5 35.249,-5 35.749,-5 36.249,-5 36.749,-5 37.249,-5 37.749,-5 38.249,-5 38.749,-5 39.249,-5 39.749,-5 40.249,-5 41.749,-5 42.249,-5 42.749,-5 44.249,-5 44.749,-5 45.249,-5 45.749,-5 46.249,-5 46.749,-5 47.249,-5 47.749,-5 48.249,-5 48.749,-5 49.249,-5 49.749,-5 50.249,-5 50.749,-5 51.249,-5 51.749,-5 52.249,-5 10.499,-4.5 17.999,-4.5 18.499,-4.5 18.999,-4.5 19.499,-4.5 19.999,-4.5 20.499,-4.5 20.999,-4.5 21.499,-4.5 21.999,-4.5 22.499,-4.5 22.999,-4.5 23.499,-4.5 23.999,-4.5 24.499,-4.5 24.999,-4.5 25.499,-4.5 25.999,-4.5 26.499,-4.5 26.999,-4.5 27.499,-4.5 27.999,-4.5 28.499,-4.5 28.999,-4.5 29.499,-4.5 29.999,-4.5 30.499,-4.5 30.999,-4.5 31.499,-4.5 31.999,-4.5 32.499,-4.5 32.999,-4.5 33.499,-4.5 33.999,-4.5 34.499,-4.5 34.999,-4.5 35.499,-4.5 35.999,-4.5 36.499,-4.5 36.999,-4.5 37.499,-4.5 37.999,-4.5 38.499,-4.5 38.999,-4.5 39.499,-4.5 41.499,-4.5 41.999,-4.5 42.499,-4.5 43.999,-4.5 44.499,-4.5 44.999,-4.5 45.499,-4.5 45.999,-4.5 46.499,-4.5 46.999,-4.5 47.499,-4.5 47.999,-4.5 48.499,-4.5 48.999,-4.5 49.499,-4.5 49.999,-4.5 50.499,-4.5 50.999,-4.5 51.499,-4.5 51.999,-4.5 52.499,-4.5 14.249,-4 14.749,-4 16.249,-4 16.749,-4 18.249,-4 18.749,-4 19.249,-4 19.749,-4 20.249,-4 20.749,-4 21.249,-4 21.749,-4 22.249,-4 22.749,-4 23.249,-4 23.749,-4 24.249,-4 30.249,-4 30.749,-4 31.249,-4 31.749,-4 32.249,-4 32.749,-4 33.249,-4 33.749,-4 34.249,-4 34.749,-4 35.249,-4 35.749,-4 36.249,-4 36.749,-4 37.249,-4 37.749,-4 38.249,-4 38.749,-4 39.249,-4 40.749,-4 41.249,-4 41.749,-4 42.249,-4 42.749,-4 44.249,-4 44.749,-4 45.249,-4 45.749,-4 46.249,-4 46.749,-4 47.249,-4 47.749,-4 48.249,-4 48.749,-4 49.249,-4 49.749,-4 50.249,-4 50.749,-4 51.249,-4 51.749,-4 52.249,-4